# Altium PCB 22281A_AlarmeFenetre_Recepteur.PcbDoc
Units mm, origin at the board's own origin, x right, y up, seen from the top; angles counter-clockwise.
Board outline 83 x 80 mm, 2 copper layers (Top Layer, Bottom Layer), stack 1.586 mm thick; 29 components, 34 nets, 191 pads, 51 vias.
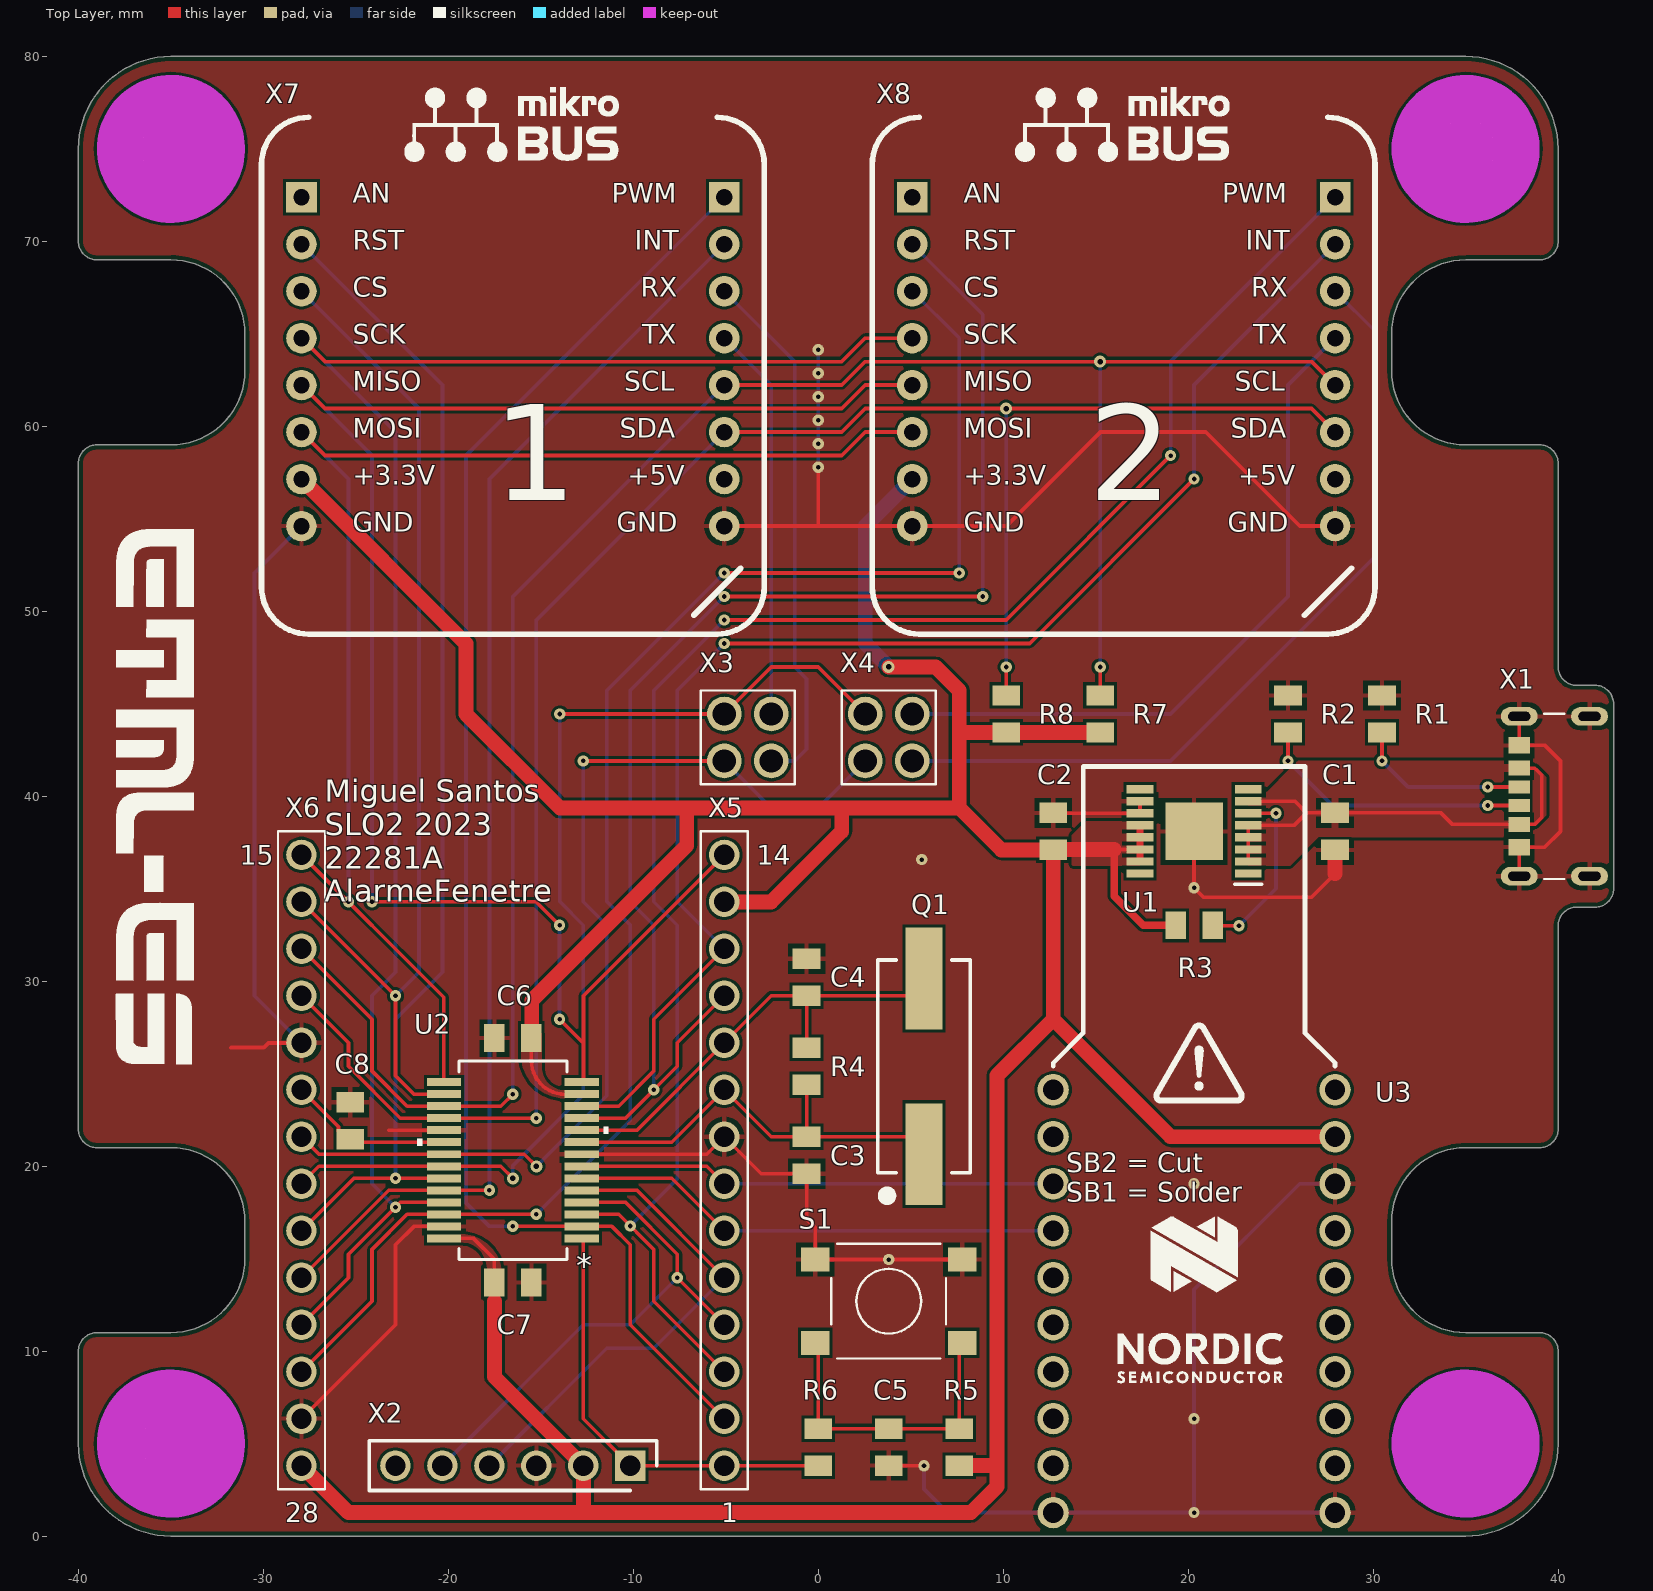
[diagram p0: Top Layer view]
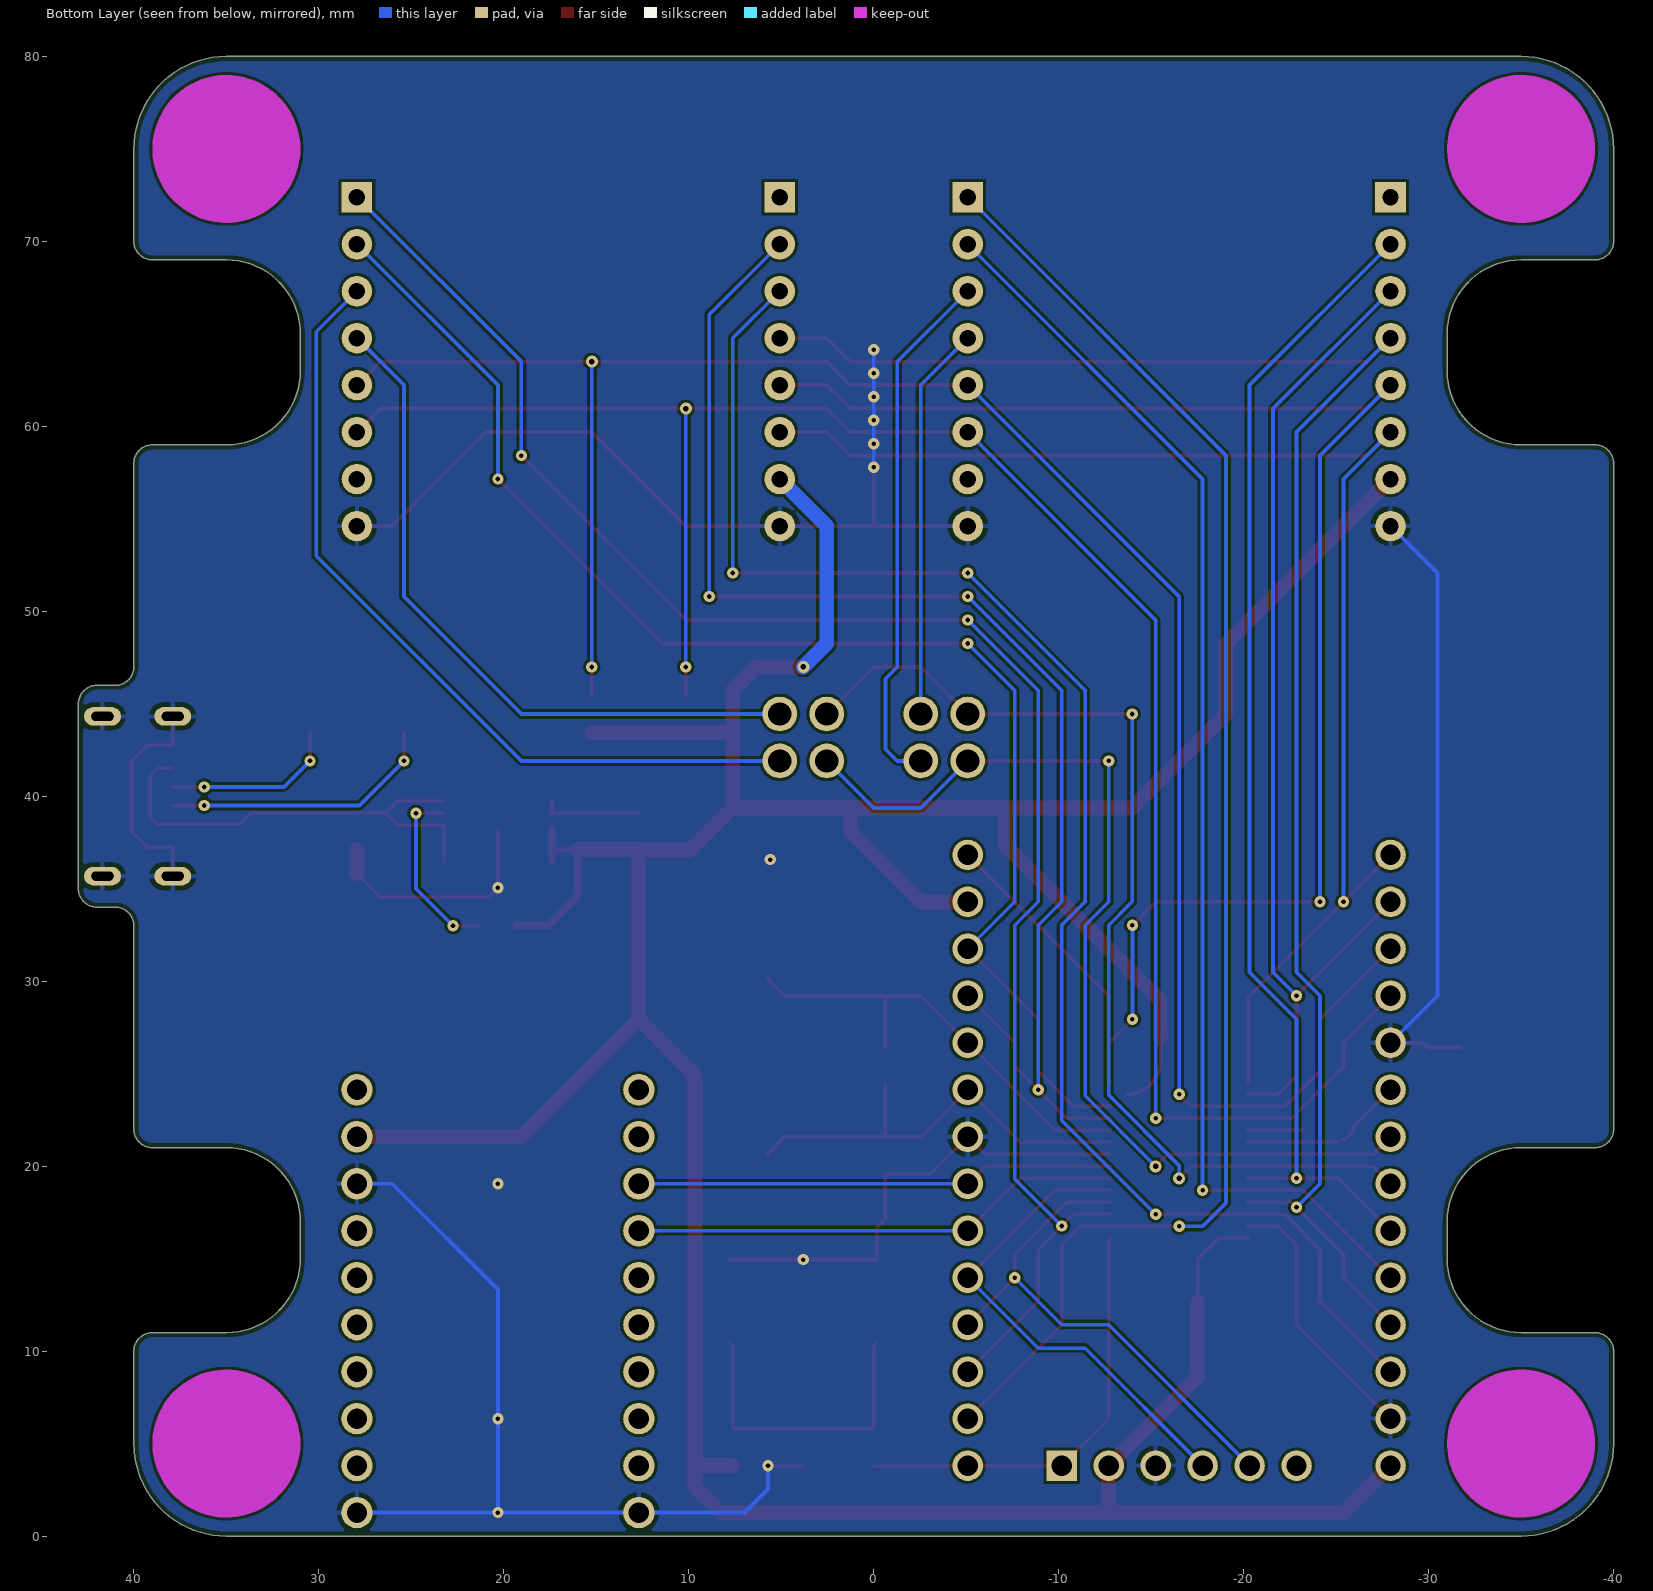
[diagram p1: Bottom Layer view, seen from below]

## Layer stack, top to bottom
Top Solder: solder mask 0.0102, Solder Resist, Dk 3.5
Top Layer: signal copper 0.018
Dielectric1: core 1.55, FR-4, Dk 4.8
Bottom Layer: signal copper 0.018
Bottom Solder: solder mask 0.0102, Solder Resist, Dk 3.5

## Board outline
-40,10 cw(c-39,10) -39,11 -35,11 ccw(c-35,15) -31,15 -31,17 ccw(c-35,17) -35,21 -39,21 cw(c-39,22) -40,22 -40,58 cw(c-39,58) -39,59 -35,59 ccw(c-35,63) -31,63 -31,65 ccw(c-35,65) -35,69 -39,69 cw(c-39,70) -40,70 -40,75 cw(c-35,75) -35,80 35,80 cw(c35,75) 40,75 40,70 cw(c39,70) 39,69 35,69 ccw(c35,65) 31,65 31,63 ccw(c35,63) 35,59 39,59 cw(c39,58) 40,58 40,47 ccw(c41,47) 41,46 42,46 cw(c42,45) 43,45 43,35 cw(c42,35) 42,34 41,34 ccw(c41,33) 40,33 40,22 cw(c39,22) 39,21 35,21 ccw(c35,17) 31,17 31,15 ccw(c35,15) 35,11 39,11 cw(c39,10) 40,10 40,5 cw(c35,5) 35,0 -35,0 cw(c-35,5) -40,5

## Design rules (kind name [scope] priority, off if disabled: settings)
BoardOutlineClearance [All] p1: gap=0.25 ignorepadtopadclearanceinfootprint=FALSE except(0: Arc-SplitContinuation Track-SplitContinuation SMDPad-SplitContinuation THPad-SplitContinuation Via-SplitContinuation Fill-SplitContinuation Poly-SplitContinuation Region-SplitContinuation Text-SplitContinuation)
Clearance Clearance-xPP-xTP-xTT [All] p1: gap=0.151 ignorepadtopadclearanceinfootprint=FALSE
ComponentClearance [All] p1: gap=0.25 collisioncheckmode=3 verticalgap=0.25 showdistances=FALSE
DiffPairsRouting [All] p1: maxlimit=0.25 minlimit=0.25 mostfreqgap=0.25 toplayer_minwidth=0.381 toplayer_maxwidth=0.381 toplayer_prefwidth=0.381 bottomlayer_minwidth=0.381 bottomlayer_maxwidth=0.381 bottomlayer_prefwidth=0.381 maxuncoupledlength=12.5
Height [All] p1: minheight=0 maxheight=25 prefheight=12.5
HoleSize HoleSize-PTH [All] p1: absolutevalues=TRUE maxlimit=10 minlimit=0.25 maxpercent=80.000 minpercent=20.000
HoleToHoleClearance [All] p1: gap=0.35 allowstackedmicrovias=TRUE
MinimumAnnularRing "Minimum IAR  >0.45mm" [((ObjectKind = 'Pad') OR (ObjectKind = 'Via')) And (Layer = 'MultiLayer') And (HoleDiameter > AsMM(0.45))] p1: minimumring=0.175 // minimum inner annular ring for pads > 0.45mm finished hole size
MinimumAnnularRing "Minimum IAR <=0.45mm" [((ObjectKind = 'Pad') OR (ObjectKind = 'Via')) And (Layer = 'MultiLayer') And (HoleDiameter <= AsMM(0.45))] p2: minimumring=0.175 // minimum inner annular ring for pads <= 0.45mm finished hole size
MinimumSolderMaskSliver [All] p1: minsoldermaskwidth=0.08
PasteMaskExpansion [All] p1: expansion=-0.025
PlaneClearance PlaneClearance-IPI [All] p1: clearance=0.25
PlaneConnect [All] p1: planeconnectstyle=Relief reliefexpansion=0.175 reliefentries=4 reliefconductorwidth=0.2 reliefairgap=0.2
PolygonConnect 3V3_IN_CONNECT [All vs IsNamedPolygon('3V3_L01_P008')] p1: connectstyle=Relief reliefconductorwidth=0.4 reliefentries=4 polygonreliefangle="90 Angle" airgapwidth=0.254
PolygonConnect VBUS_CONNECT [All vs IsNamedPolygon('VBUS_L001')] p2: connectstyle=Relief reliefconductorwidth=0.4 reliefentries=4 polygonreliefangle="90 Angle" airgapwidth=0.254
PolygonConnect uc_3V3_CONNECT [All vs IsNamedPolygon('3V3_L01_P005') Or IsNamedPolygon('3V3_L01_P007')] p3: connectstyle=Direct reliefconductorwidth=0.254 reliefentries=4 polygonreliefangle="90 Angle" airgapwidth=0.254
PolygonConnect GND_VIAS_CONNECT [All vs IsNamedPolygon('GND_TOP') Or IsNamedPolygon('GND')] p4: thpad.connectstyle=Relief thpad.reliefconductorwidth=0.254 thpad.reliefentries=4 thpad.polygonreliefangle="90 Angle" thpad.airgapwidth=0.254 smdpad.connectstyle=Relief smdpad.reliefconductorwidth=0.254 smdpad.reliefentries=4 smdpad.polygonreliefangle="90 Angle" smdpad.airgapwidth=0.254 via.connectstyle=Direct via.reliefconductorwidth=0.254 via.reliefentries=4 via.polygonreliefangle="90 Angle" via.airgapwidth=0.254
PolygonConnect 3V3_UC_CONNECT [All vs IsNamedPolygon('3V3_L01_P005') Or IsNamedPolygon('3V3_L01_P007')] p5: connectstyle=Direct reliefconductorwidth=0.254 reliefentries=4 polygonreliefangle="90 Angle" airgapwidth=0.254
PolygonConnect PolygonConnect-xTW [All] p6: connectstyle=Relief reliefconductorwidth=0.2 reliefentries=4 polygonreliefangle="90 Angle" airgapwidth=0.2
RoutingCorners [All] p1: cornerstyle=45-Degree minsetback=2.5 maxsetback=2.5
RoutingVias RoutingViasES [All] p1: holewidth=0.3 width=0.65 viastyle="Through Hole" minholewidth=0.25 minwidth=0.61 maxholewidth=0.45 maxwidth=0.8 // finishet hole size <= 0.45mm
SilkToSilkClearance [All] p1: silktosilkclearance=0.2
SilkToSolderMaskClearance SilkscreenOverComponentPads [IsPad] p1: minsilkscreentomaskgap=0.2 clearancetoexposedcopper=TRUE
SolderMaskExpansion [All] p1: expansion=0 istentingtop=FALSE
UnRoutedNet [All] p1: checkbadconnections=TRUE
Width Width-xTW [All] p1: maxlimit=1.5 minlimit=0.15 preferedwidth=0.2
17 further rules are at their usual default settings.

## Classes and differential pairs
component class 2228_Recepteur_PIC32: C3 C4 C5 C6 C7 C8 q Q1 R4 R5 R6 R7 R8 S1 X2 X3 X4 X5 X6
component class 2228_Recepteur_MIKROE_NRF: U3 X7 X8
component class 2228_Recepteur_Alimentation: C1 C2 R1 R2 R3 U1 X1

## Components (designator, comment, footprint, x,y, rotation, side; value= is the part's Value field where it differs from the comment)
C1 "CAP_SMD" CAP_0805 27.94,38.1 r90 top value=4.7µF
C2 "CAP_SMD" CAP_0805 12.7,38.1 r270 top value=6.8µF
C3 "CAP_SMD" CAP_0805 -0.63,20.59 r270 top value=22pF
C4 "CAP_SMD" CAP_0805 -0.63,30.21 r270 top value=22pF
C5 "CAP_SMD" CAP_0805 3.81,4.81 r270 top value=100nF
C6 "CAP_SMD" CAP_0805 -16.51,26.924 r180 top value=100nF
C7 "CAP_SMD" CAP_0805 -16.51,13.716 r0 top value=100nF
C8 "CAP_SMD" CAP_0805 -25.298,22.454 r90 top value=10µF
Q1 "8 MHz" LFXTAL003151 5.72,25.4 r90 top
R1 "RES_SMD" RES_0805 30.482,44.45 r270 top value=5.1k
R2 "RES_SMD" RES_0805 25.4,44.45 r270 top value=5.1k
R3 "RES_SMD" RES_0805 20.32,33.02 r180 top value=100k
R4 "RES_SMD" RES_0805 -0.63,25.4 r270 top value=1M
R5 "RES_SMD" RES_0805 7.62,4.81 r270 top value=10k
R6 "RES_SMD" RES_0805 0,4.81 r90 top value=1k
R7 "RES_SMD" RES_0805 15.24,44.45 r270 top value=10k
R8 "RES_SMD" RES_0805 10.16,44.45 r270 top value=10k
S1 "430182043816" 430182043816 3.81,12.7 r0 top
U1 "MAX1793EUE33+" SOP65P638X110-17N 20.32,38.1 r180 top
U2 "PIC32MX130F064B-I/SS" SSOP28_MC_MCH-M -16.51,20.32 r180 top locked
U3 "NRF52840-DONGLE" NRF52840_DONGLE 20.32,1.27 r0 top locked
X1 "UJC-HP-3-SMT-TR" CUI_UJC-HP-3-SMT-TR 37.9,40 r90 top
X2 "6 pins Header" HEADER_6PINS -10.16,3.81 r180 top
X3 "2X2PIN_HEADER" 2x2_HEADER -3.81,43.18 r270 top
X4 "2X2PIN_HEADER" 2x2_HEADER 3.81,43.18 r270 top
X5 "14PIN_HEADER" HEADER_14PINS -5.08,20.32 r90 top locked
X6 "14PIN_HEADER" HEADER_14PINS -27.94,20.32 r90 top locked
X7 "MIKROBUS HOST CONN TH 16" "MIKROBUS HOST CONN. TH" -16.51,63.5 r0 top
X8 "MIKROBUS HOST CONN TH 16" "MIKROBUS HOST CONN. TH" 16.51,63.5 r0 top

## Footprints (in the part's own frame and the unit in brackets; to place one, negate y for a bottom-side part, rotate by r counter-clockwise, add the part's x,y. Pads: shape width x height; smd on the part's side, far side on the other; paste and mask are expansions set on the pad)
2x2_HEADER [mm]
  round 1.875 hole 1.25: 1(-1.27,-1.27) 2(-1.27,1.27) 3(1.27,-1.27) 4(1.27,1.27)
  silkscreen extent -2.54,-2.54 2.54,2.54, body extent -2.54,-2.54 2.54,2.54, height 8.54
430182043816 [mm] "6*6mm vertical type, SMD, height 4.3mm, black actuator, 160gf, T&R"
  rect 1.55x1.3 smd: 1(-3.975,2.25) 2(-3.975,-2.25) 3(3.975,2.25) 4(3.975,-2.25)
  silkscreen extent -3.1,-3.1 3.1,3.1, body extent -4.5,-3.1 4.5,3.1, height 4.29
CAP_0805 [mm]
  rect 1.1x1.5 smd: 1(-1,0) 2(1,0)
  body extent -1,-0.63 1,0.63, height 0.81
CUI_UJC-HP-3-SMT-TR [mm]
  rect 0.7x1.15 smd: A5(-0.5,0.005) B5(0.5,0.005)
  rect 0.8x1.15 smd: A9(1.52,0.005) B9(-1.52,0.005)
  rect 0.9x1.15 smd: A12(2.75,0.005) B12(-2.75,0.005)
  oval 1x2 hole 0.5 slot 1.2 at 90 deg: S1(-4.32,0) S2(4.32,0) S3(-4.32,-3.8) S4(4.32,-3.8)
  silkscreen extent -4.47,-2.45 4.47,-1.35, body extent -4.47,-6.38 4.47,0.52, height 0.63
HEADER_6PINS [mm]
  rect 1.65x1.65 hole 1.1: 1(0,0)
  round 1.65 hole 1.1: 2(2.54,0) 3(5.08,0) 4(7.62,0) 5(10.16,0) 6(12.7,0)
  silkscreen extent -1.42,-1.34 14.12,1.35, body extent -1.27,-1.27 13.97,1.27, height 8.69
HEADER_14PINS [mm]
  round 1.65 hole 1.1: 1(-16.51,0) 2(-13.97,0) 3(-11.43,0) 4(-8.89,0) 5(-6.35,0) 6(-3.81,0) 7(-1.27,0) 8(1.27,0) 9(3.81,0) 10(6.35,0) 11(8.89,0) 12(11.43,0) 13(13.97,0) 14(16.51,0)
  silkscreen extent -17.78,-1.27 17.78,1.27, body extent -17.78,-1.27 17.78,1.27, height 8.54
LFXTAL003151 [mm]
  rect 5.5x2 smd paste+0 mask+0: 1(-4.75,0) 2(4.75,0)
  silkscreen extent -7.25,-2.5 5.75,2.5, body extent -6.71,-2.45 6.71,2.45, height 2.9
"MIKROBUS HOST CONN. TH" [mil]
  rect 65x65 hole 35: 1(-450,350) 16(450,350)
  round 65 hole 35: 2(-450,250) 3(-450,150) 4(-450,50) 5(-450,-50) 6(-450,-150) 7(-450,-250) 8(-450,-350) 9(450,-350) 10(450,-250) 11(450,-150) 12(450,-50) 13(450,50) 14(450,150) 15(450,250)
  silkscreen extent -535,-580 535,584, body extent -497,-501 504,401, height 434
NRF52840_DONGLE [mm]
  round 1.7 hole 1.1: 1(-7.62,22.86) 2(-7.62,20.32) 3(-7.62,17.78) 4(-7.62,15.24) 5(-7.62,12.7) 6(-7.62,10.16) 7(-7.62,7.62) 8(-7.62,5.08) 9(-7.62,2.54) 10(-7.62,0) 11(7.62,0) 12(7.62,2.54) 13(7.62,5.08) 14(7.62,7.62) 15(7.62,10.16) 16(7.62,12.7) 17(7.62,15.24) 18(7.62,17.78) 19(7.62,20.32) 20(7.62,22.86)
  silkscreen extent -7.62,7 7.62,40.34, body extent -11,-10 11,40.45, height 15.5
RES_0805 [mm]
  rect 1.1x1.5 smd: 1(-1,0) 2(1,0)
  body extent -1,-0.63 1,0.63, height 0.52
SOP65P638X110-17N [mm]
  rect 3.1x3.1 smd: 0(0,0)
  rect 1.45x0.45 smd: 1(-2.925,2.275) 2(-2.925,1.625) 3(-2.925,0.975) 4(-2.925,0.325) 5(-2.925,-0.325) 6(-2.925,-0.975) 7(-2.925,-1.625) 8(-2.925,-2.275) 9(2.925,-2.275) 10(2.925,-1.625) 11(2.925,-0.975) 12(2.925,-0.325) 13(2.925,0.325) 14(2.925,0.975) 15(2.925,1.625) 16(2.925,2.275)
  silkscreen extent -3.65,2.85 -2.2,2.85, body extent -3.19,-2.5 3.19,2.5, height 1.1
SSOP28_MC_MCH-M [mm]
  rect 1.858x0.431 smd paste+0 mask+0: 1(-3.723,4.225) 2(-3.723,3.575) 3(-3.723,2.925) 4(-3.723,2.275) 5(-3.723,1.625) 6(-3.723,0.975) 7(-3.723,0.325) 8(-3.723,-0.325) 9(-3.723,-0.975) 10(-3.723,-1.625) 11(-3.723,-2.275) 12(-3.723,-2.925) 13(-3.723,-3.575) 14(-3.723,-4.225) 15(3.723,-4.225) 16(3.723,-3.575) 17(3.723,-2.925) 18(3.723,-2.275) 19(3.723,-1.625) 20(3.723,-0.975) 21(3.723,-0.325) 22(3.723,0.325) 23(3.723,0.975) 24(3.723,1.625) 25(3.723,2.275) 26(3.723,2.925) 27(3.723,3.575) 28(3.723,4.225)
  silkscreen extent -5.16,-5.37 5.16,5.37, body extent -4.1,-5.25 4.1,5.25, height 2.01

## Part data
C1 C2 C3 C4 C5 C6 C7 C8: "Ceramic capacitor"
Q1: library part LFXTAL003151, "IQD FREQUENCY PRODUCTS - LFXTAL003151REEL - CRYSTAL, 8MHZ, 16PF, 11.4 X 4.9MM", Arrow Part Number=LFXTAL003151REEL, Manufacturer_Name=IQD, Mouser Part Number=449-LFXTAL003151REEL, Arrow Price/Stock=https://www.arrow.com/en/products/lfxtal003151reel/iqd-frequency-products?region=europe, Datasheet Link=https://www.iqdfrequencyproducts.com/products/pn/LFXTAL003151Reel.pdf, Geometry.Height=4.3mm, Manufacturer_Part_Number=LFXTAL003151REEL, Mouser Price/Stock=https://www.mouser.co.uk/ProductDetail/IQD/LFXTAL003151Reel?qs=e4%2FAndAAwgKt40cosvhepA%3D%3D
S1: library part CMP-1452-00013-1, "WS-TASV SMD Tact Switch 6X6 mm", Manufacturer="Wuerth Elektronik", ComponentLink1Description="Manufacturer URL", ComponentLink1URL=http://www.we-online.com, ComponentLink2Description=Datasheet, ComponentLink2URL=http://katalog.we-online.de/em/datasheet/4301x2.pdf, NoPins=04, PackageReference=430182043816, PartNumber=430182043816
U1: library part MAX1793, Supplier Part Number 1=MAX1793EUE33+-ND, Supplier 1=Digi-Key
U2: Manufacturer=Microchip, Manufacturer_Part_Number=PIC32MX130F064B-I/SS
U3: Manufacturer="Nordic Semiconductor", Manufacturer_Number=NRF52840-DONGLE
X1: library part USB-C_CUI, "Type C, 3 A, Right Angle, Surface Mount (SMT), Power-Only USB Receptacle", Manufacturer="CUI Devices", Manufacturer_Number=UJC-HP-3-SMT-TR
X7 X8: library part "MIKROBUS HOST CONN"

## Free pads (board coordinates)
  round 3.2 hole 3.2 unplated: M3(-35,5) M3(-35,75) M3(35,5) M3(35,75)

## Via types
v1: diameter 0.61, hole 0.25, Top Layer to Bottom Layer, 46 vias
v2: diameter 0.65, hole 0.3, Top Layer to Bottom Layer, 5 vias

## Nets (pads, with @x,y where several pads share a name; then routed paths per layer and width w, separated by ;. In a path a pad name is that pad's centre, name@x,y a point inside that pad or via, vN(x,y) a via of type N, cw(c..) or ccw(c..) an arc to the next point about the centre after c; other vN are vias at no path point)
3V3: C2.2 C6.1 C7.1 R3.2 R5.2 R7.2 R8.2 U1.12 U1.13 U1.14 U1.15 U2.13 U2.28 U3.19 X2.2 X5.13 X6.1 X7.7 X8.7 | length 237
  Top Layer w0.2: U2.28 -18.635,16.095 -17.51,14.97 -17.51,12.7 ; C6.1 -15.51,25.709 ccw(c-13.688,25.709) U2.13@-13.688,23.887 ; 16.014,37.125 U1.14
  Top Layer w0.4: 16.002,37.125 16.002,34.596 17.578,33.02 R3.2 ; U1.15 U1.14 U1.13 17.395,38.2
  Top Layer w0.8: X6.1 -25.4,1.27 -12.7,1.27 ; X7.7 -19.05,48.26 -19.05,44.45 -13.97,39.37 -7.112,39.37 ; -17.51,12.7 -17.51,8.62 X2.2 -12.7,1.27 ; C6.1@-15.507,26.927 -15.507,27.258 -15.491,27.274 -15.491,28.959 -7.112,37.338 -7.112,39.37 ; X5.13 -2.54,34.29 1.27,38.1 1.27,39.37 ; v2(3.81,46.99) 6.35,46.99 7.62,45.72 7.62,43.45 ; R5.2 9.662,3.81 ; R7.2 R8.2 7.62,43.45 ; 16.002,37.125 12.725,37.125 C2.2 ; U3.19 19.05,21.59 12.7,27.94 ; -12.7,1.27 8.255,1.27 9.662,2.677 9.662,3.81 ; -7.112,39.37 1.27,39.37 ; 1.27,39.37 7.62,39.37 ; 7.62,39.37 9.89,37.1 C2.2 ; 7.62,39.37 7.62,43.45 ; 9.662,3.81 9.662,24.902 12.7,27.94 ; 12.7,27.94 C2.2
  Bottom Layer w0.8: v2(3.81,46.99) 2.54,48.26 2.54,54.61 X8.7
CC1: R2.2 X1.A5 | length 15
  Top Layer w0.2: v1(25.4,41.91) R2.2 ; v1(36.195,39.5) X1.A5
  Bottom Layer w0.2: v1(25.4,41.91) 27.81,39.5 v1(36.195,39.5)
CC2: R1.2 X1.B5 | length 9.5
  Top Layer w0.2: v1(30.482,41.91) R1.2 ; v1(36.195,40.5) X1.B5
  Bottom Layer w0.2: v1@30.48,41.912 31.892,40.5 v1(36.195,40.5)
CS1: U2.16 X6.13 X7.3 | length 55.8
  Top Layer w0.2: X6.13 v1(-22.86,29.21) -22.86,24.892 -21.863,23.895 U2.16
  Bottom Layer w0.2: X7.3 -21.59,60.96 -21.59,30.48 v1(-22.86,29.21)
CS2: U2.26 X6.3 X8.3 | length 86.8
  Top Layer w0.2: X6.3 -24.13,12.7 -24.13,15.494 -22.229,17.395 U2.26 v1(-15.24,17.395) ; v1(-5.08,52.07) v1(7.62,52.07)
  Bottom Layer w0.2: v1(-15.24,17.395) -10.16,22.475 -10.16,33.039 -11.43,34.309 -11.43,45.72 v1(-5.08,52.07) ; X8.3 7.62,64.77 v1(7.62,52.07)
GND: C1.1 C2.1 C3.2 C4.1 C5.2 C6.2 C7.2 C8.2 R1.1 R2.1 S1.1 S1.3 U1.0 U1.10 U1.11 U2.8 U2.19 U2.27 U3.10 U3.11 U3.18 X1.A12 X1.B12 X1.S1 X1.S2 X1.S3 X1.S4 X2.3 X5.8 X6.2 X6.10 X7.8 X7.9 X8.8 X8.9 | length 202.6
  Top Layer w0.2: -31.75,26.4 -31.734,26.416 -29.972,26.416 -29.725,26.663 -27.948,26.663 X6.10 ; X6.2 -22.86,11.43 -22.86,15.748 -21.863,16.745 U2.27 ; -23.215,21.945 U2.19 ; U2.8 -6.025,20.645 X5.8 -3.08,19.59 C3.2 -0.63,17.145 -0.165,16.68 S1.1 S1.3 ; X7.9 0,54.61 ; v1(0,57.785) 0,54.61 ; C5.2 v1(5.72,3.81) ; C2.1 12.725,39.075 U1.11 U1.10 ; U1.0 v1(20.32,35.052) 20.828,34.544 26.67,34.544 27.94,35.814 ; C1.1 C1.1@27.956,37.084 ; X8.9 26.035,54.61 20.955,59.69 15.261,59.69 10.181,54.61 X8.8 0,54.61 ; X1.S1 37.9,37.245 X1.B12 39.282,37.25 40.132,38.1 40.132,41.91 39.292,42.75 X1.A12 37.9,42.755 X1.S2
  Top Layer w0.8: 27.94,35.814 C1.1
  Bottom Layer w0.2: X6.10 -30.48,29.21 -30.48,52.07 X7.8 ; v1(0,57.785) v1(0,59.055) v1(0,60.325) v1(0,61.595) v1(0,62.865) v1(0,64.135) ; v1(5.72,3.81) 5.715,3.805 5.715,2.54 6.985,1.27 U3.10 v1(20.32,1.27) ; U3.11 v1(20.32,1.27) ; U3.18 26.035,19.05 20.32,13.335 v1(20.32,1.27)
  other v1: 20.32,6.35 3.81,14.95 20.32,19.05 5.588,36.576
INT1: U2.24 X6.5 X7.15 | length 68.5
  Top Layer w0.18: X6.5 -23.215,18.695 U2.24
  Top Layer w0.2: U2.24 v1(-17.78,18.695)
  Bottom Layer w0.2: v1(-17.78,18.695) -17.78,57.15 X7.15
INT2: U2.12 X5.12 X8.15 | length 76.4
  Top Layer w0.2: U2.12 -10.791,23.245 -8.89,25.146 -8.89,27.94 -7.62,29.21 X5.12 ; v1(-5.08,48.26) 11.43,48.26 v1(20.32,57.15)
  Bottom Layer w0.2: X5.12 -7.62,34.29 -7.62,45.72 v1(-5.08,48.26) ; v1(20.32,57.15) 20.32,62.23 X8.15
MCLR: R6.1 U2.1 X2.1 X5.1 | length 23.5
  Top Layer w0.2: U2.1 -12.7,16.008 -12.7,6.35 X2.1 X5.1 R6.1
OSC1: C3.1 Q1.1 R4.2 U2.9 X5.9 | length 24
  Top Layer w0.2: U2.9 -7.915,21.295 X5.9 -2.54,21.59 C3.1 ; R4.2 C3.1 ; Q1.1 5.72,20.69 4.82,21.59 C3.1
OSC2: C4.2 Q1.2 R4.1 U2.10 X5.10 | length 24.7
  Top Layer w0.2: U2.10 -9.805,21.945 X5.10 -2.54,29.21 C4.2 ; R4.1 C4.2 ; Q1.2 5.72,30.11 4.82,29.21 C4.2
PBTN: C5.1 R5.1 R6.2 S1.2 S1.4 | length 17
  Top Layer w0.2: S1.2 0,10.285 R6.2 C5.1 R5.1 7.62,10.285 S1.4
PGEC1: U2.5 X2.4 X5.5 | length 26.6
  Top Layer w0.2: U2.5 -9.805,18.695 X5.5
  Bottom Layer w0.2: X2.4 -11.43,10.16 -8.89,10.16 X5.5
PGED1: U2.4 X2.5 X5.4 | length 28.1
  Top Layer w0.2: U2.4 -10.425,18.045 -7.62,15.24 v1(-7.62,13.97) X5.4
  Bottom Layer w0.2: X2.5 -12.7,11.43 -10.16,11.43 v1(-7.62,13.97)
PWM1: U2.2 X5.2 X7.16 | length 81.5
  Top Layer w0.2: v1(-16.51,16.745) U2.2 -11.157,16.745 -10.16,15.748 -10.16,11.43 X5.2
  Bottom Layer w0.2: v1(-16.51,16.745) -17.78,16.745 -19.05,18.015 -19.05,58.42 X7.16
PWM2: U2.3 X5.3 X8.16 | length 94.3
  Top Layer w0.2: U2.3 -10.791,17.395 -8.89,15.494 -8.89,12.7 X5.3 ; v1(-5.08,49.53) 10.16,49.53 v1(19.05,58.42)
  Bottom Layer w0.2: v1(-10.16,16.764) -7.62,19.304 -7.62,33.02 -8.89,34.29 -8.89,45.72 v1(-5.08,49.53) ; v1(19.05,58.42) 19.05,63.5 X8.16
RST: R3.1 U1.6 | length 9.8
  Top Layer w0.2: R3.1 21.34,33 v1(22.75,33) ; U1.6 v1(24.75,39.075)
  Bottom Layer w0.2: v1(22.75,33) 24.75,35 v1(24.75,39.075)
RST1: U2.23 X6.6 X7.2 | length 63.6
  Top Layer w0.2: X6.6 -25.105,19.345 v1(-22.86,19.345) U2.23
  Bottom Layer w0.2: X7.2 -20.32,62.23 -20.32,30.48 -22.86,27.94 v1(-22.86,19.345)
RST2: U2.11 X5.11 X8.2 | length 75.1
  Top Layer w0.2: U2.11 -10.425,22.595 -7.62,25.4 -7.62,26.67 X5.11 ; v1(-5.08,50.8) v1(8.89,50.8)
  Bottom Layer w0.2: v1(-8.89,24.13) -8.89,33.02 -10.16,34.29 -10.16,45.72 v1(-5.08,50.8) ; X8.2 8.89,66.04 v1(8.89,50.8)
RX1: U2.6 U3.4 X5.6 | length 26.7
  Top Layer w0.2: U2.6 -7.915,19.345 X5.6
  Bottom Layer w0.2: X5.6 U3.4
RX2: U2.22 X3.1 X4.1 X6.7 | length 57.9
  Top Layer w0.18: X6.7 -26.995,19.995 U2.22
  Top Layer w0.2: U2.22 -17.16,19.995 v2(-16.51,19.345) ; v1(-13.97,44.45) X3.1 -2.54,46.99 0,46.99 X4.1
  Bottom Layer w0.2: v2(-16.51,19.345) -16.51,20.04 -12.7,23.85 -12.7,33.02 -13.97,34.29 v1(-13.97,44.45)
RX2A: X3.2 X7.13 | length 21.4
  Bottom Layer w0.2: X7.13 -2.54,62.23 X3.2
RX2B: X4.2 X8.13 | length 38
  Bottom Layer w0.2: X4.2 19.05,44.45 25.4,50.8 25.4,62.23 X8.13
SCK1: U2.25 X6.4 X7.4 X8.4 | length 95.4
  Top Layer w0.2: X6.4 -25.4,13.97 -25.4,15.24 v1(-22.86,17.78) -22.595,18.045 U2.25 ; X7.4 -26.67,63.5 1.27,63.5 2.54,64.77 X8.4
  Bottom Layer w0.2: X7.4 -22.86,59.69 -22.86,30.48 -24.13,29.21 -24.13,19.05 v1(-22.86,17.78)
SCL1: R7.1 U2.17 X6.12 X7.12 X8.12 | length 112.1
  Top Layer w0.2: X6.12 -24.13,27.94 -24.13,25.146 -22.229,23.245 -17.16,23.245 v1(-16.51,23.895) ; X7.12 1.27,62.23 2.54,63.5 v2(15.24,63.5) 26.67,63.5 X8.12 ; R7.1 v1(15.24,46.99)
  Bottom Layer w0.2: v1(-16.51,23.895) -16.51,50.8 X7.12 ; v1(15.24,46.99) v2(15.24,63.5)
SDA1: R8.1 U2.18 X6.11 X7.11 X8.11 | length 107.1
  Top Layer w0.2: X6.11 -25.4,26.67 -25.4,25.4 -22.595,22.595 U2.18 v1(-15.24,22.595) ; X7.11 1.27,59.69 2.54,60.96 v2(10.16,60.96) 26.67,60.96 X8.11 ; R8.1 v1(10.16,46.99)
  Bottom Layer w0.2: v1(-15.24,22.595) -15.24,35.56 -15.24,49.53 X7.11 ; v1(10.16,46.99) v2(10.16,60.96)
SDI1: U2.14 X5.14 X7.5 X8.5 | length 96.6
  Top Layer w0.2: X7.5 -26.67,60.96 1.27,60.96 2.54,62.23 X8.5 ; v1(-24.13,34.29) -15.255,34.29 v1(-13.985,33.02) ; v1(-13.985,27.94) -12.708,26.663 -12.693,26.663 ; U2.14 -12.693,24.639 -12.693,26.663 ; X5.14 -12.693,29.217 -12.693,26.663
  Bottom Layer w0.2: X7.5 -24.13,58.42 v1(-24.13,34.29) ; v1(-13.985,27.94) v1(-13.985,33.02)
SDO1: U2.15 X6.14 X7.6 X8.6 | length 76
  Top Layer w0.2: X6.14 -20.242,29.132 U2.15@-20.242,24.554 ; X7.6 -26.67,58.42 1.27,58.42 2.54,59.69 X8.6
  Bottom Layer w0.2: X7.6 -25.4,57.15 v1(-25.4,34.29)
TX1: U2.7 U3.3 X5.7 | length 25.9
  Top Layer w0.2: U2.7 -6.025,19.995 X5.7
  Bottom Layer w0.2: X5.7 U3.3
TX2: U2.21 X3.3 X4.3 X6.8 | length 54.7
  Top Layer w0.2: X6.8 -26.995,20.645 U2.21 -15.89,20.645 v2(-15.24,19.995) ; v1(-12.7,41.91) X3.3
  Bottom Layer w0.2: v2(-15.24,19.995) -11.43,23.805 -11.43,33.02 -12.7,34.29 v1(-12.7,41.91) ; X3.3 -2.54,39.37 0,39.37 X4.3
TX2A: X3.4 X7.14 | length 28.8
  Bottom Layer w0.2: X7.14 -1.27,63.5 -1.27,46.99 -0.635,46.355 -0.635,42.545 -1.27,41.91 X3.4
TX2B: X4.4 X8.14 | length 44.9
  Bottom Layer w0.2: X4.4 19.05,41.91 30.135,52.995 30.135,65.115 X8.14
VBUS: C1.2 U1.2 U1.3 U1.4 U1.5 U1.7 X1.A9 X1.B9 | length 25.6
  Top Layer w0.2: U1.2 U1.3 U1.4 U1.5 25.725,38.425 26.4,39.1 ; U1.7 25.775,39.725 26.4,39.1 ; X1.A9 38.744,41.52 39.116,41.148 39.116,38.852 38.744,38.48 34.29,38.48 33.67,39.1 26.4,39.1
VCAP: C8.1 U2.20 X6.9 | length 8.8
  Top Layer w0.2: X6.9 -25.943,22.133 -25.943,21.904 -25.493,21.454 C8.1 ; C8.1@-25.105,21.295 U2.20
pads on no net: U1.1 U1.8 U1.9 U1.16 U3.1 U3.2 U3.5 U3.6 U3.7 U3.8 U3.9 U3.12 U3.13 U3.14 U3.15 U3.16 U3.17 U3.20 X2.6 X7.1 X7.10 X8.1 X8.10

## Polygon pours and split planes (outlines as drawn)
VBUS on Top Layer "VBUS_L001" (solid, remove dead copper, pour order 1): 27.051,37.795 37.029,37.795 37.338,38.08 38.47,38.08 39.37,38.98 39.37,41.02 38.47,41.92 25.94,41.92 23.97,39.95 22.52,39.95 22.52,36.25 25.506,36.25
GND on Top Layer "GND_TOP" (solid, remove dead copper, pour order 9): -35,0 cw(c-35,5) -40,5 -40,75 cw(c-35,75) -35,80 35,80 cw(c35,75) 40,75 40,47 ccw(c41,47) 41,46 42,46 cw(c42,45) 43,45 43,35 cw(c42,35) 42,34 41,34 ccw(c41,33) 40,33 40,5 cw(c35,5) 35,0
3V3 on Top Layer "3V3_L01_P005" (solid, pour order 5): -17.91,14.107 -17.91,14.485 ccw(c-19.304,14.485) -19.304,15.88 -19.304,16.311 cw(c-19.304,14.107) -17.1,14.107
3V3 on Top Layer "3V3_L01_P007" (solid, pour order 7): -16.06,27.19 -16.06,26.024 ccw(c-13.716,26.024) -13.716,23.68 -13.716,24.111 cw(c-13.716,25.355) -14.96,25.355 -14.96,27.19
3V3 on Top Layer "3V3_L01_P008" (solid, pour order 8): 13.45,37.65 14.45,38.65 18.12,38.65 18.12,36.25 13.75,36.25 13.45,36.55
GND on Bottom Layer "GND" (solid, remove dead copper, pour order 0): -35,0 cw(c-35,5) -40,5 -40,75 cw(c-35,75) -35,80 35,80 cw(c35,75) 40,75 40,47 ccw(c41,47) 41,46 42,46 cw(c42,45) 43,45 43,35 cw(c42,35) 42,34 41,34 ccw(c41,33) 40,33 40,5 cw(c35,5) 35,0

## Keep-outs
Keep-Out Layer:
  circle w4: c-35,75 r2
  circle w4: c-35,5 r2
  circle w4: c35,75 r2
  circle w4: c35,5 r2

## Silkscreen, mask and mechanical layers (free items; w line width, h text height)
Top Overlay:
  drawing of 15 lines, arcs and shapes, not listed
  text "15" at -31.267,36.305 h1.05
  text "14" at -3.327,36.305 h1.05
  text "Miguel Santos / SLO2 2023 / 22281A / AlarmeFenetre" at -26.67,34.29 h1.2
  text "SB2 = Cut / SB1 = Solder" at 13.408,18.085 h1.05
  text "28" at -28.815,0.745 h1.05
  text "1" at -5.255,0.745 h1.05
Board Outline (ES):
  the board outline again, w0.4

## Dimensions
35,75 to 42,81.5 on Top Dims
-39,70 to -41,67.5 on Top Dims
-39,21 to -39,59 on Top Dims
-31,65 to -31,63 on Top Dims
-35,17 to -36.5,15.5 on Top Dims
-39,11 to -39,21 on Top Dims
43,35 to 40,33 on Top Dims
35,0 to 35,80 on Top Dims
-40,5 to 40,5 on Top Dims

## Text inside footprints (layer, text, board x,y; h text height)
U2: Top Overlay "*" at -12.215,15.791 h1.27 r180; Components Bodies "*" at -13.779,16.421 h1.27 r180
X7: Top Overlay "1" at -17.559,54.29 h8.89; Top Overlay "PWM" at -11.175,71.724 h1.78; Top Overlay "AN" at -25.165,71.724 h1.78; Top Overlay "+5V" at -10.306,56.484 h1.78; Top Overlay "GND" at -10.89,53.944 h1.78; Top Overlay "TX" at -9.514,64.104 h1.78; Top Overlay "RX" at -9.603,66.644 h1.78; Top Overlay "INT" at -9.912,69.184 h1.78; Top Overlay "SCL" at -10.497,61.564 h1.78; Top Overlay "GND" at -25.165,53.944 h1.78; Top Overlay "+3.3V" at -25.165,56.484 h1.78; Top Overlay "MOSI" at -25.165,59.024 h1.78; Top Overlay "SCK" at -25.165,64.104 h1.78; Top Overlay "MISO" at -25.165,61.564 h1.78; Top Overlay "CS" at -25.165,66.644 h1.78; Top Overlay "RST" at -25.165,69.184 h1.78; Top Overlay "SDA" at -10.73,59.024 h1.78
X8: Top Overlay "SDA" at 22.29,59.024 h1.78; Top Overlay "RST" at 7.855,69.184 h1.78; Top Overlay "CS" at 7.855,66.644 h1.78; Top Overlay "MISO" at 7.855,61.564 h1.78; Top Overlay "SCK" at 7.855,64.104 h1.78; Top Overlay "MOSI" at 7.855,59.024 h1.78; Top Overlay "+3.3V" at 7.855,56.484 h1.78; Top Overlay "GND" at 7.855,53.944 h1.78; Top Overlay "SCL" at 22.523,61.564 h1.78; Top Overlay "INT" at 23.108,69.184 h1.78; Top Overlay "RX" at 23.417,66.644 h1.78; Top Overlay "TX" at 23.506,64.104 h1.78; Top Overlay "GND" at 22.13,53.944 h1.78; Top Overlay "+5V" at 22.714,56.484 h1.78; Top Overlay "AN" at 7.855,71.724 h1.78; Top Overlay "PWM" at 21.845,71.724 h1.78; Top Overlay "2" at 14.613,54.29 h8.89